# Altium PCB LAY-94611_B.PcbDoc (part 11 of 16) (continued)
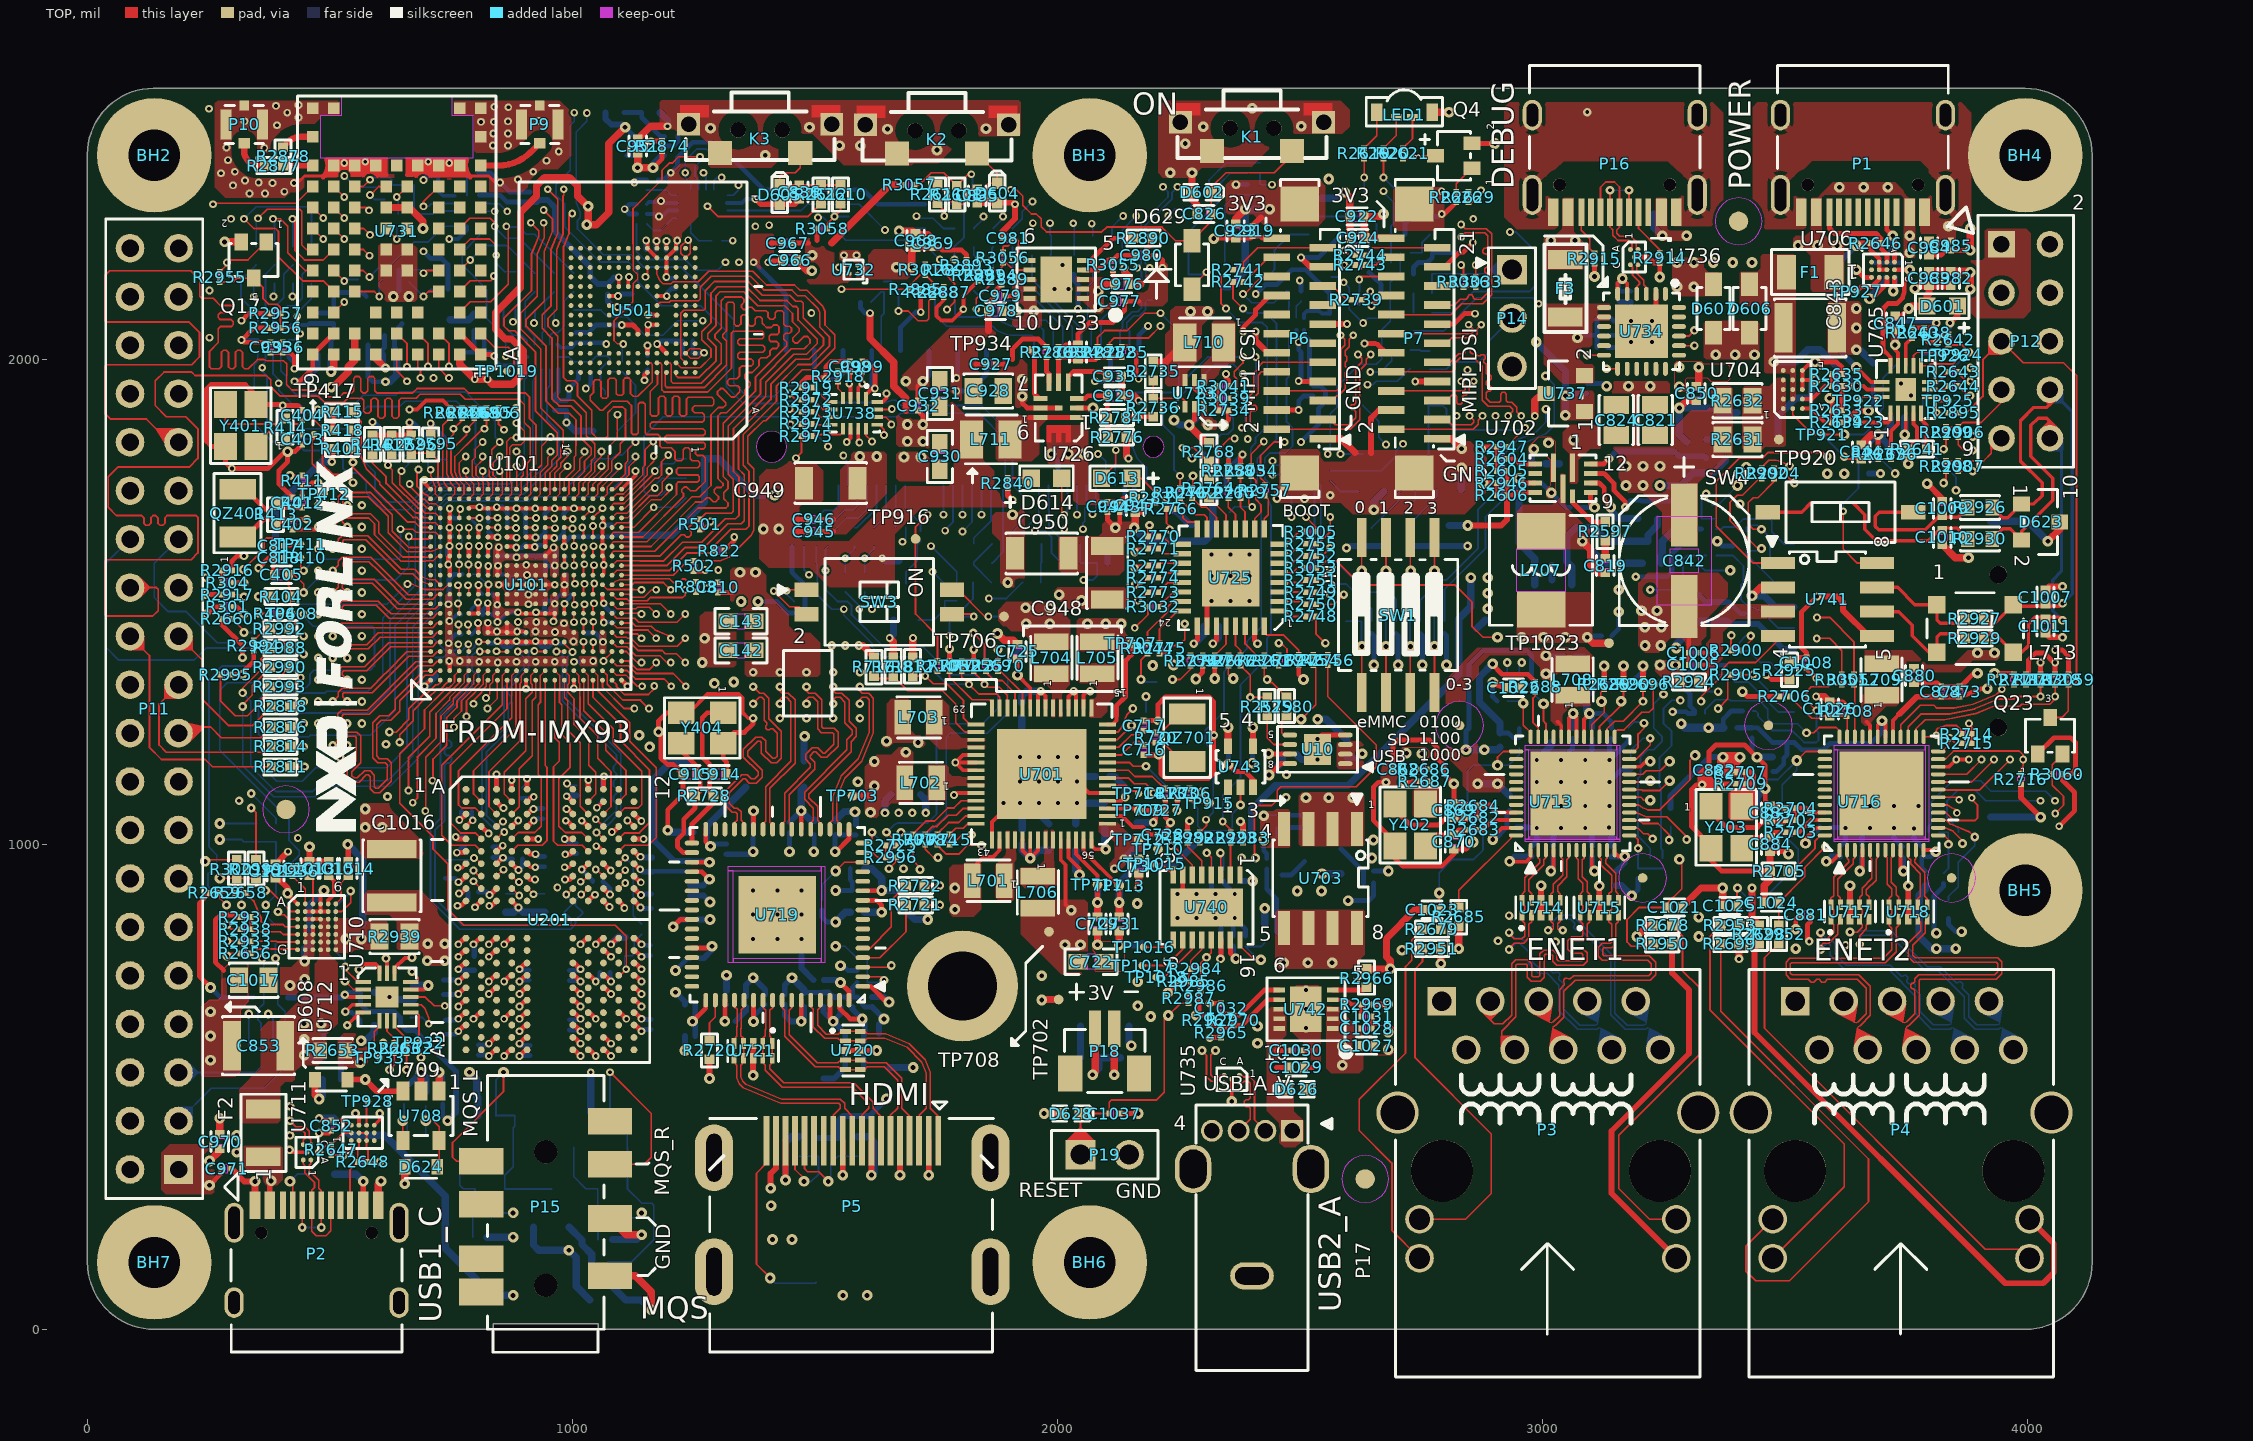
[diagram p0: TOP view]
## Nets (pads, with @x,y where several pads share a name; then routed paths per layer and width w, separated by ;. In a path a pad name is that pad's centre, name@x,y a point inside that pad or via, vN(x,y) a via of type N, cw(c..) or ccw(c..) an arc to the next point about the centre after c; other vN are vias at no path point) (continued)
  BOTTOM w10: v5(983.34,1614.32) 983.34,1622.19 995.45,1634.3 1078,1634.3 1081.28,1637.58 1107.42,1637.58 ; v6(3192.8,1552) 3258,1552 3268,1562 3268,1599.58 3318.91,1650.49 R2897.1@3328.43,1650.49
  BOTTOM w15: 1107.42,1637.58 1205.38,1637.58 1272.6,1704.8 R312.1@1272.6,1715.04 R310.1@1272.6,1755.04 R311.1@1272.6,1795.04 1301.76,1795.04 1376.8,1720 v18(1416.8,1720) ; v7(2127.8,880) TP1095.1@2127.8,920 2162.79,954.99 2237.79,954.99 2290.8,1008 2380.8,1008 2400.8,1028 2400.8,1073 2449.3,1121.5 2599.3,1121.5 2827.8,1350 2827.8,1465 2852.8,1490 v18(2852.8,1550)
ODT_CA_A: R210.2 U201.G2 | length 80.7
  TOP w3.2: v5(796.87,971.93) 800.3,971.93 U201.G2@812.07,960.16
  BOTTOM w3.62: 737.84,968.2 793.14,968.2 v5(796.87,971.93)
ONOFF: C814.1 C826.1 D602.1 D629.C K1.3 R405.2 TP1041.1 U101.A19 | length 2880.9
  TOP w3.62: v4(647.8,1770) 643.8,1766 643.8,1742 683.58,1702.22 691.46,1702.22 700.71,1692.97 U101.A19@707.75,1692.97 ; v4(1903.8,2350) 1915.8,2350 1928.8,2337 1928.8,2318 1946.8,2300 1956.8,2300 1966.8,2290 1966.8,2274 1977.8,2263 2091.8,2263 2101.8,2273 2215.8,2273 2243.8,2245 D629.C@2277.8,2245 2317.56,2284.76 2317.56,2300 2317.56,2344.76 D602.1@2317.8,2345 2317.8,2355 2347.8,2385 2447.79,2385 2484.26,2421.47 K1.3@2484.26,2429.95
  ART06 w4: v4(647.8,1770) 647.8,1778.8 669,1800 758.8,1800 798.8,1840 798.8,1883 843.8,1928 843.8,1976 822.8,1997 822.8,2052 875.8,2105 966.8,2105 1156.8,2295 1156.8,2328 1173.8,2345 1273.8,2345 1286.8,2332 1355.79,2332 1369.85,2346.06 1373.33,2347.5 1583.57,2347.5 1618.07,2313 1866.8,2313 v4(1903.8,2350)
  BOTTOM w3.62: 424.76,1873 440.76,1857 539,1857 586,1810 TP1041.1@615,1810 631.8,1810 640,1801.8 661.96,1801.8 661.96,1784.16 v4(647.8,1770)
OVDD_3V3: C887.1 C888.1 FB24.2 U719.11 | length 250.4
  TOP w10: U719.11@1598.98,904.21 1637.01,904.21 v7(1637.8,905)
  BOTTOM w10: C888.1@1598.31,905 v7(1637.8,905)
  BOTTOM w15: 1602.56,950 1617.8,950 1637.8,930 v7(1637.8,905) 1685.8,905 1692.8,912 ; FB24.2@1692.8,858 1705.8,845 v14(1732.8,845)
PCADR: R2724.1 U719.14 | length 134.8
  TOP w3.62: v7(1542.8,945) 1561.07,963.27 U719.14@1598.98,963.27
  BOTTOM w3.62: R2724.1@1515,885.51 1515,917.2 v7(1542.8,945)
PCF2131_SCL: R2923.2 R2983.1 U740.2 | length 116.4
  TOP w3.62: U740.2@2357.01,936.93 2357.01,1002.7 2357.8,1003.49 2382.8,1003.49
  TOP w12: v27(2377.8,1047) 2382.8,1042 R2983.1@2382.8,1024.51
PCF2131_SDA: R2922.2 R2982.1 U740.5 | length 129.3
  TOP w3.62: 2293.8,1003.49 2268.8,1003.49 2268.8,995.01 2297.96,965.85 U740.5@2297.96,936.93
  TOP w10: R2982.1@2268.8,1024.51 2268.8,1044.5 v27(2272.8,1048.5)
PCIE_NWAKE: R2749.2 R2868.1 R2888.1 | length 2198.8
  TOP w3.62: v4(1672.8,2100) 1692.8,2100 1712.8,2080 1730.8,2080 1734.8,2084 1734.8,2120.49 1742.8,2128.49 ; 2533.31,1520 2557.8,1520 v20(2562.8,1515)
  ART06 w4: v4(1672.8,2100) 1725.8,2153 1725.8,2201 1754.8,2230 1911.8,2230 1928.8,2213 2230.8,2213 2241.8,2202 2424.8,2202 2466.8,2244 2603.12,2244 2755.8,2091.32 2755.8,1942.5 2666.3,1853 2627.8,1853 2614.8,1840 2614.8,1747 2564.8,1697 2548.8,1697 2537.8,1686 2537.8,1540 v20(2562.8,1515)
  BOTTOM w3.62: R2868.1@1642.8,2160.51 1657.29,2160.51 1672.8,2145 v4(1672.8,2100)
PD_BYPASS: C845.2 R2641.2 U705.4 | length 149.3
  TOP w8: R2641.2@3754.8,1815 3754.8,1817 3772.8,1835 3772.8,1860 3765.55,1867.25 U705.4@3765.55,1888.79
  TOP w12: v7(3754.8,1785) R2641.2@3754.8,1815
  BOTTOM w12: 3742.56,1815 3742.56,1797.24 v7(3754.8,1785)
PD_DBG_ACC: TP924.1 U705.9 | length 89.9
  TOP w3.62: U705.9@3781.3,1987.21 3797.21,1987.21 3800.5,1990.5 3846.5,1990.5 3855.8,1999.8 TP924.1@3855.8,2010
PD_EN_SINK: R2636.1 U705.2 | length 79.5
  TOP w8: 3719.05,1815.51 3719.05,1852.25 3734.05,1867.25 U705.2@3734.05,1888.79
PD_EN_SRC: TP922.1 U705.16 | length 50.8
  TOP w3.62: TP922.1@3652.8,1915 3660.05,1922.25 U705.16@3700.59,1922.25
PD_FRS_EN: TP923.1 U705.1 | length 81.1
  TOP w8: TP923.1@3652.8,1870 3712.8,1870 3718.3,1875.5 U705.1@3718.3,1888.79
PD_I2C_SCL: R2643.1 U705.8 | length 46.9
  TOP w3.62: U705.8@3799.01,1953.75 3816.54,1953.75 3837.29,1974.5
PD_I2C_SDA: R2644.1 U705.7 | length 41.2
  TOP w3.62: U705.7@3799.01,1938 3830.29,1938 3837.29,1945
PD_ILIM_5V_VBUS: TP925.1 U705.6 | length 41.8
  TOP w8: U705.6@3799.01,1922.25 3810.55,1922.25 3817.8,1915 TP925.1@3837.8,1915
PD_LD_NFLT: R2640.1 U705.11 | length 62.7
  TOP w8: U705.11@3749.8,1987.21 3749.8,2031.49 3762.8,2044.49
PD_USB_CC1: R2645.2 TP1026.1 U705.13 U706.A2 | length 347.4
  TOP w8: 3707.8,2015 3718.3,2004.5 U705.13@3718.3,1987.21
  TOP w10: 3707.8,2015 3702.8,2020 3702.8,2105 3713.3,2115.5 3732,2115.5 3742.81,2126.31 3746.5,2138.49 3746.5,2161.5 3757.8,2172.8 v7(3757.8,2185) U706.A2@3726.42,2185
  BOTTOM w10: TP1026.1@3685,2200 3685.51,2199.49 R2645.2@3717.8,2199.49 3743.31,2199.49 v7(3757.8,2185)
PD_USB_CC2: R2646.2 TP1027.1 U705.14 U706.B2 U706.C1 U706.C2 | length 457.2
  TOP w8: v7(3647.8,1984) 3678.05,1953.75 U705.14@3700.59,1953.75
  TOP w10: v7(3647.8,2235) 3652.8,2240 3677.29,2240 3677.29,2225.51 3694.93,2207.87 U706.C1@3694.93,2200.75 U706.C2@3694.93,2185 U706.B2@3710.67,2185
  BOTTOM w12: v7(3647.8,1984) 3610,2021.8 TP1027.1@3610,2050 3610,2197.2 v7(3647.8,2235)
PD_USB_VBUS_IN: R2631.1 R2632.1 TP920.1 U704.A1 U704.B1 U704.C1 U704.D1
PD_VBUS_PG: Q7.1 R2639.2 TP921.1 U704.A2 | length 352.3
  TOP w3.62: U704.A2@3516.8,1898.63 3516.8,1886 3557.8,1845 TP921.1@3577.8,1845 v7(3622.8,1845)
  BOTTOM w3.62: v7(3622.8,1845) 3662.8,1845 3697.8,1880 3697.8,1895.01 3703.31,1900.52 3703.31,1945 3703.31,1962.54 Q7.1@3733.3,1992.53
PDM_CLK: R2912.1 U101.G17 | length 2008.3
  TOP w3.62: U101.G17@825.86,1653.6 v3(846.04,1653.6)
  ART03 w3.09: v3(846.04,1653.6) 861.3,1638.34 861.3,1605.5 852.8,1597 815.31,1597 812.31,1600 732.8,1600 718.8,1586 718.8,1257.01 705.8,1244.01 705.8,1187.5 661.8,1143.5 635.19,1143.5 589.29,1124.49 506.25,1041.45 506.25,968.55 584.8,890 584.8,801 595.8,790 595.8,736 565.8,706 565.8,625 534.8,594 534.8,512 579.8,467 579.8,426 744.8,261 846.8,261 867.8,240 v14(877.8,240)
  BOTTOM w3.62: R2912.1@832.6,230.04 842.56,240 v14(877.8,240)
PDM_DATA0: R2910.1 U101.J17 | length 2232.1
  TOP w3.62: U101.J17@865.23,1653.6 882.62,1653.6 v3(883.77,1652.45)
  ART03 w3.09: v3(883.77,1652.45) 869,1637.68 869,1601.2 856.8,1589 811.99,1589 808.99,1592 736.2,1592 729.3,1585.1 729.3,1250.5 724.3,1245.5 724.3,1179.5 670.8,1126 641.14,1126 606.42,1111.62 593.8,1099 593.8,1065 582.8,1054 558.8,1054 547.8,1043 547.8,1022 617.3,952.5 617.3,877.5 638.8,856 638.8,740 587.8,689 587.8,541 624.8,504 624.8,416 759.8,281 1101.8,281 v14(1142.8,240)
  BOTTOM w3.62: R2910.1@1092.6,230.04 1137.84,230.04 1142.8,235 v14(1142.8,240)
PDM_DATA1: R806.2 U101.G18 U746.1 | length 2364.1
  TOP w3.62: U101.G18@825.86,1673.29 845.5,1673.29 v4(845.81,1673.6) ; 847.8,1879.49 847.8,1866 v34(858.8,1855)
  ART06 w4: v4(845.81,1673.6) 864.8,1692.59 864.8,1840 858.8,1846 v34(858.8,1855)
  ART08 w3.09: v34(858.8,1855) 860.8,1853 914.93,1853 921.36,1859.43 957.37,1859.43 974.8,1842 1071.8,1842 1115.57,1885.77 1350.57,1885.77 1355.8,1891 1412.2,1891 1435.2,1914 1453.8,1914 1466.8,1901 1466.8,1865 1483.8,1848 1608.8,1848 1642.8,1882 1668.49,1882 1682.97,1888 1909.8,1888 1944.71,1853.09 2116.89,1853.09 2162.8,1899 2264.8,1899 2290.8,1873 2290.8,1857 2327.8,1820 2400,1820 2407,1827 2407,1832 2423,1848 2531.8,1848 2554.8,1825 2677.3,1825 v9(2677.8,1824.5)
  BOTTOM w3.62: U746.1@2630.3,1905 2662.8,1872.5 2662.8,1839.5 v9(2677.8,1824.5)
PDN/PCAL6408_RST: R3027.2 U731.J3 U745.10 U748.1 | length 873.6
  TOP w3.62: v3(692.8,2315.75) 692.8,2325 U731.J3@724.41,2356.61
  ART03 w3.09: v3(692.8,2315.75) 702.05,2325 919.8,2325 929.8,2335 957.8,2335 965.8,2343 965.8,2361 971.8,2367 992.8,2367 1000.8,2359 1086.8,2359 1108.8,2337 1137.51,2337 1157.11,2356.6 1204.4,2356.6 v3(1232.8,2385)
  BOTTOM w3.62: v3(692.8,2315.75) 703.54,2315.75 709.04,2321.25 734.22,2321.25 734.72,2321.75 757.01,2321.75 ; U748.1@1244.18,2348.72 1244.18,2363.62 1232.8,2375 v3(1232.8,2385) 1232.8,2410.31 1256.49,2434 1276.01,2434 1289.49,2420.52 1289.49,2410
PHY1_LED0_PHYAD0: C1022.1 R2688.1 U713.35 | length 133.2
  TOP w3.62: 2955.56,1323 2964.07,1314.49 2985.8,1314.49 2985.8,1306.01 2980.8,1301.01 2980.8,1252 2991.93,1240.87 U713.35@2991.93,1221.73
PHY1_LED1_CFG_LDO0: C1021.1 R2695.1 R2950.2 U713.36 | length 1117.1
  TOP w3.62: v18(2960.8,1291) 2960.8,1246 2976.19,1230.61 U713.36@2976.19,1221.73 ; R2950.2@3229.6,794.96 3224.64,790 3183.62,790 3175,798.62 3175,845 3200,870 3258.04,870 3258.04,878.24 3287.8,908 3287.8,964 v18(3282.8,969)
  ART08 w3.09: v18(2960.8,1291) 2982.8,1269 3034.8,1269 3059.8,1244 3131.8,1244 3157.8,1270 3233.8,1270 3249.8,1254 3249.8,1242 3267.8,1224 3302.8,1224 3337.8,1189 3337.8,1173 3310.8,1146 3310.8,1098 3314.8,1094 3314.8,1001 v18(3282.8,969)
  BOTTOM w3.62: 2928.31,1295 2956.8,1295 v18(2960.8,1291)
PHY1_LED2_CFG_LDO1: C1023.1 R2679.2 R2697.1 U713.37 | length 599.2
  TOP w3.62: v7(2787.56,899.76) 2787.56,865 2787.56,845.24 2791,841.8 R2679.2@2791,825.04 ; v7(2907.8,1163) 2907.8,1180 2919.41,1191.61 U713.37@2946.07,1191.61
  BOTTOM w3.62: v7(2787.56,899.76) 2787.56,941.76 2814.8,969 2858.8,969 2877.8,988 2877.8,1060 2845.8,1092 2845.8,1150.6 2858.2,1163 v7(2907.8,1163) 2930.8,1163 2952.8,1185 R2697.1@2952.8,1199.49
PHY1_XTAL_I: C869.1 R2682.1 Y402.1 | length 186.4
  TOP w10: Y402.1@2696.3,1083.31 2696.3,1071.5 2727.8,1040 2786.8,1040 2802.04,1055.24 2817.8,1055.24 2823.04,1050 2842.29,1050 2847.29,1055
PHY1_XTAL_O: C870.1 R2683.1 Y402.3 | length 101.8
  TOP w10: Y402.3@2759.3,996.69 2782.37,1019.76 2817.8,1019.76 2828.04,1030 2847.29,1030
PHY2_LED0_PHYAD0: C1026.1 R2706.1 R2708.1 U716.35 | length 251.9
  TOP w3.62: 3510.51,1305 3555.51,1260 3575,1260 3579.49,1264.49 3592.8,1264.49 3627.8,1264.49 3628.93,1263.36 U716.35@3628.93,1221.73
  TOP w10: C1026.1@3592.8,1294.01 3619.3,1294.01 R2708.1@3627.8,1285.51
  TOP w15: v1(3565,1305) 3581.81,1305 C1026.1@3592.8,1294.01
PHY2_LED1_CFG_LDO0: C1024.1 R2717.1 R2952.2 U716.36 | length 805.3
  TOP w3.62: R2952.2@3487.76,833.2 3487.76,879.8 3487.56,880 3540.8,933.24 3540.8,952 v6(3583.8,995) ; v6(3545,1230) 3560,1230 3571,1241 3606.19,1241 3613.19,1234 U716.36@3613.19,1221.73
  ART08 w3.09: v6(3545,1230) 3555.8,1219.2 3555.8,1023 v6(3583.8,995)
  BOTTOM w3.62: 3335.51,1270 3335.51,1276.51 3357.12,1298.12 3386.88,1298.12 3389,1296 3448,1296 3465,1279 3465,1259.5 3476,1248.5 3526.5,1248.5 v6(3545,1230)
PHY2_LED2_CFG_LDO1: C1025.1 R2719.1 R2953.2 U716.37 | length 644.3
  TOP w3.62: v15(3402.8,910) 3401.56,908.76 3401.56,873 3401.56,856.24 3406.7,851.1 R2953.2@3406.7,832.86 ; v7(3524.8,1173) 3543.41,1191.61 U716.37@3583.07,1191.61
  BOTTOM w3.62: v15(3402.8,910) 3420.8,892 3460.8,892 3527.8,959 3527.8,990 3495,1022.8 3495,1123 3524.8,1152.8 v7@3524.8,1172.5 ; 3454.49,1150 3454.49,1140.51 3461,1134 3486.3,1134 v7@3524.8,1172.5 ; v7(3524.8,1173) v7@3524.8,1172.5
PHY2_XTAL_I: C883.1 R2702.1 Y403.1 | length 189.4
  TOP w10: Y403.1@3348.3,1078.31 3348.3,1066.5 3379.8,1035 3443.8,1035 3459.04,1050.24 3469.8,1050.24 3475.56,1050.24 3480.8,1045 3497.29,1045 3502.29,1050
PHY2_XTAL_O: C884.1 R2703.1 Y403.3 | length 104.8
  TOP w10: Y403.3@3411.3,991.69 3434.37,1014.76 3469.8,1014.76 3480.04,1025 3502.29,1025
PMIC_32K_OUT: R411.1 R2858.2 U701.7 | length 5416.6
  TOP w3.62: v20(417.8,1760.51) 442.8,1760.51 ; U701.7@2103.63,1137.13 2146.68,1137.13 2158.81,1125 2182.8,1125 2197.8,1110 v20(2197.8,1106)
  ART03 w3.09: v49(618.8,1098.5) 618.8,1092 628.8,1082 628.8,1051 633.8,1046 633.8,880 650.8,863 650.8,728 659.8,719 679.8,719 693.8,733 713.8,733 750.8,696 750.8,610 849.8,511 1084.8,511 1170.8,597 1170.8,936 1260.8,1026 1302.8,1026 1364.8,964 1568.8,964 1571.8,967 1690.99,967 1699.8,958.19 1699.8,927.1 1705.9,921 1733.8,921 1744.8,932 1795.59,932 1831.59,896 1971,896 1984,883 2038,883 2062,859 2145.8,859 v39(2164.8,878)
  ART06 w4: v20(417.8,1760.51) 417.8,1676 422.8,1671 422.8,1159 450.8,1131 586.3,1131 v49(618.8,1098.5) ; v4(1739.8,1614.96) 1756.76,1598 1809.8,1598 1882.8,1671 1882.8,1763.01 1963.79,1844 2112,1844 2135,1821 2135,1809.41 2133.29,1805.29 2124,1796 2124,1769 2139.3,1753.7 2139.3,1638 2116.8,1615.5 2116.8,1527.2 2158.5,1485.5 2191.3,1485.5 2203.8,1473 2203.8,1432 2106.8,1335 2106.8,1266 2152.8,1220 2152.8,1166 2197.8,1121 v20(2197.8,1106) 2197.8,1071 2178.8,1052 2178.8,1033 2191.8,1020 2249.8,1020 2256.8,1013 2256.8,984 2193.8,921 2193.8,907 v39(2164.8,878)
  BOTTOM w3.62: v4(1739.8,1614.96) 1792.8,1561.96 R2858.2@1792.8,1523.55
PMIC_NINT: R806.1 R2758.2 R2760.2 U701.13 | length 2658.5
  TOP w3.62: 847.8,1900.51 v9(883.3,1900.5) ; U701.13@2103.63,1231.61 2124.41,1231.61 2130.96,1238.16 2143,1267.2 v20(2155.8,1280) ; 2352.8,1735.51 2352.8,1759.49 2344.31,1759.49 2332.8,1771 2332.8,1815 2354.8,1837 v34(2365.8,1837)
  TOP w10: R2758.2@2352.8,1780.51 v16(2352.8,1804)
  ART06 w4: v20(2155.8,1280) 2155.8,1281 2152.8,1284 2152.8,1356.01 2219,1422.21 2219,1577.2 2335.8,1694 2335.8,1807 v34(2365.8,1837)
  ART08 w3.09: v9(883.3,1900.5) 884.3,1901.5 914.3,1901.5 926.8,1889 1055.8,1889 1079.3,1912.5 1107.3,1912.5 1113.85,1905.95 1332.25,1905.95 1340.3,1914 1398.8,1914 1430.8,1946 1454.8,1946 1476.89,1923.91 1476.89,1869.18 1487.98,1858.09 1604.62,1858.09 1630.16,1883.63 1630.16,1896.36 1647.8,1914 1669.8,1914 1681.8,1902 1910.07,1902 1948.89,1863.18 2112.71,1863.18 2151.8,1902.27 2151.8,1926 2158.8,1933 2190.8,1933 2209.8,1914 2268.8,1914 2298.8,1884 2350.8,1884 2361.8,1873 2361.8,1841 v34(2365.8,1837)
PMIC_ON: Q21.3 Q22.1 R3019.1 R3022.1 | length 198.6
  BOTTOM w3.62: 2345.27,2200.5 2345.27,2285 2345.27,2317.47 2367.29,2339.49 R3019.1@2392.8,2339.49 R3022.1@2417.8,2339.49
PMIC_ON_REQ: C1045.1 Q21.2 R401.2 R418.1 R3020.1 R3021.1 U101.A17 | length 2919.1
  TOP w3.62: R418.1@544.6,1853.96 544.6,1835.76 543,1834.16 R401.2@543,1816.04 543,1792.8 v20(547.8,1788) 547.8,1777 660.18,1664.62 675.46,1664.62 686.48,1653.6 U101.A17@707.75,1653.6
  ART06 w4: v20(547.8,1788) 548.8,1789 548.8,1792.2 611.8,1855.2 611.8,1892 591.8,1912 591.8,1992.85 770.8,2171.85 770.8,2220 799.8,2249 941.8,2249 963.8,2271 963.8,2308 1020.8,2365 1020.8,2444 1108.8,2532 2146.8,2532 2196.8,2482 2196.8,2335 2228.8,2303 v4(2228.8,2296)
  BOTTOM w3.62: v4(2228.8,2296) 2243.3,2310.5 2270.33,2310.5 2312.8,2352.97 2312.8,2370 2348.31,2405.51 R3020.1@2367.8,2405.51 2392.8,2405.51 R3021.1@2417.8,2405.51
PMIC_SCLL: R712.2 R2857.2 R3024.1 U701.27 | length 1575.5
  TOP w3.62: 1802.8,1357.49 1802.8,1345 v5(1817.8,1330) 1837.8,1310 1874.8,1310 1881.19,1303.61 U701.27@1881.19,1280.83
  ART06 w4: v4(1330.8,2245) 1330.8,2240 1290.8,2200 1290.8,1768 1384.8,1674 1440.8,1674 1504.8,1610 1504.8,1539 1558.8,1485 v4(1559.8,1485)
  BOTTOM w3.62: 1308.31,2245 v4(1330.8,2245) ; R2857.2@1502.8,1614.49 1502.8,1580.21 1505,1578.01 1505,1515 1535,1485 v4(1559.8,1485) 1559.8,1473 1617.9,1414.9 1617.9,1408.1 1639,1387 1715,1387 1772,1330 v5(1817.8,1330)
PMIC_SDAL: R713.2 R2856.2 R3023.1 U701.26 | length 1655.9
  TOP w3.62: 1827.8,1357.49 1827.8,1355.01 1842.8,1340.01 1842.8,1337 v5(1849.8,1330) 1855.8,1324 1880.8,1324 1896.93,1307.87 U701.26@1896.93,1280.83
  ART06 w4: v4(1315.8,2200.5) 1315.8,1773.19 1392.99,1696 1454,1696 1526.8,1623.2 1526.8,1569.5 1522.3,1565 v4(1521.8,1565)
  BOTTOM w3.62: 1132.29,2280 1132.29,2222.51 1148.8,2206 1232.8,2206 1254.8,2184 1299.3,2184 v4(1315.8,2200.5) ; R2856.2@1527.8,1614.49 1521.8,1608.49 v4(1521.8,1565) 1521.8,1526 1546.8,1501 1566.8,1501 1575.8,1492 1575.8,1473.2 1641,1408 1722.78,1408 1780.78,1350 1829.8,1350 v5(1849.8,1330)
PMIC_STBY_REQ: R417.1 R708.1 U101.B18 U747.1 | length 4200.5
  TOP w3.2: 696.97,1683.04 717.68,1683.04 U101.B18@727.43,1673.29
  TOP w3.62: R417.1@627.76,1805.2 619.8,1797.24 v4(619.8,1782) 619.8,1781 628.8,1772 628.8,1745.82 681.8,1692.82 687.19,1692.82 696.97,1683.04 ; 1727.8,999.49 1727.8,990 1744.8,973 v25(1753.8,973)
  ART06 w4: v4(619.8,1782) 611.8,1774 611.8,1295 703.3,1203.5 1031.3,1203.5 1120.8,1114 1391.8,1114 1456.8,1049 1504.81,1049 1566.81,987 1739.8,987 v25(1753.8,973) ; v45(2192.8,645) 2218.8,619 2229.8,619 2258.8,648 2258.8,678 2289.8,709 2289.8,794 2300.8,805 2398.8,805 2459.8,866 2459.8,926 2489.8,956 2489.8,1106 2510.8,1127 2510.8,1204 2475.8,1239 2475.8,1353 2487.8,1365 2487.8,1429 2463.8,1453 2463.8,1693 2487.8,1717 2487.8,1742 2533.8,1788 2566.8,1788 v4(2583.8,1805)
  ART08 w3.09: v25(1753.8,973) 1782.3,973 1833.3,922 1860.8,922 1964.8,818 2139,818 2187.8,769.2 2187.8,650 v45(2192.8,645)
  BOTTOM w3.62: v4(2583.8,1805) U747.1@2630.3,1805
PVCC1_1V8: C889.1 C890.1 FB25.2 U719.51 | length 79.1
  TOP w10: v7(1314.53,635.27) U719.51@1314.53,678.82
  BOTTOM w10: v7(1314.53,635.27) 1314.53,666.22 C889.1@1317.8,669.49
PVCC2_1V8: C901.1 C902.1 FB29.2 U719.62 | length 280.7
  TOP w10: U719.62@1531.07,678.82 1531.07,641.73 v7(1537.8,635)
  BOTTOM w12: 1517.8,517 1539.8,517 1562.8,540 1562.8,610 v7(1537.8,635) ; C901.1@1517.8,665.24 1517.8,655 v7(1537.8,635) ; 1552.8,664.49 1552.8,650 v7(1537.8,635)
RTC_CLK: R2863.2 U740.6 | length 1704.5
  TOP w3.62: v20(2234.8,997) 2238.8,997 2278.27,957.53 U740.6@2278.27,936.93
  ART06 w4: v4(1742.8,1561.96) 1809.76,1561.96 1845.8,1598 1861.8,1598 1933.8,1670 1933.8,1785 1973.8,1825 2092.8,1825 2103.8,1814 2103.8,1760.2 2116.8,1747.2 2116.8,1697 2085.8,1666 2085.8,1530.2 2150,1466 2172.8,1466 2182.8,1456 2182.8,1441 2087.3,1345.5 2087.3,1256.5 2133.3,1210.5 2133.3,1158.5 2177.8,1114 2177.8,1078.58 2159.3,1060.08 2159.3,1023.5 2185.8,997 v20(2234.8,997)
  BOTTOM w3.62: v4(1742.8,1561.96) 1767.8,1536.96 R2863.2@1767.8,1523.55
RTC_NINTA: R2750.2 R2984.1 R2986.1 U740.13 | length 1109
  TOP w3.62: 2295.8,718.51 2296.31,719.02 2296.31,743 2296.31,755.51 v20(2307.8,767) 2317.64,776.84 U740.13@2317.64,803.07 ; 2533.31,1495 2570.8,1495 v20(2590.8,1515)
  ART06 w4: v20(2307.8,767) 2326.8,786 2415.8,786 2473.8,844 2473.8,916 2534.8,977 2534.8,1121.9 2566.8,1153.9 2566.8,1338 2527.8,1377 2527.8,1430 2590.8,1493 v20(2590.8,1515)
SAI1_OE: Q17.3 R2955.2 R2956.1 R2957.2 U728.12 | length 350
  TOP w3.62: 272.8,2159.49 299.76,2159.49 307.8,2167.53 Q17.3@342.8,2167.53 361.8,2148.53 361.8,2126 373.8,2114 391.31,2114 398.31,2107 398.31,2095 398.31,2065 426.8,2065 v5(438.8,2053)
  TOP w10: v16(317.8,2080) 332.8,2095 R2957.2@377.29,2095
  BOTTOM w3.62: U728.12@414.49,2040 425.8,2040 v5(438.8,2053)
SAI1_RXD0: U101.H20 U728.5 | length 850.9
  TOP w3.2: U101.H20@845.54,1712.66 855.29,1722.41 855.29,1764.72 v5(850.01,1770)
  BOTTOM w3.62: U728.5@351.3,2014.21 351.3,1996.49 343.8,1988.99 343.8,1867.2 380,1831 427.8,1831 446.3,1812.5 508.3,1812.5 526.8,1794 526.8,1776 536.8,1766 557.8,1766 575,1748.8 575,1725 610,1690 662,1690 722,1750 830.01,1750 v5(850.01,1770)
SAI1_TXC: U101.G20 U728.2 | length 732.2
  TOP w3.2: U101.G20@825.86,1712.66 835.79,1722.59 835.79,1752.01 828.8,1759 828.8,1791 833.9,1796.1 833.9,1813.89 v5(850.01,1830)
  BOTTOM w3.62: U728.2@398.55,2014.21 398.55,1976.99 410.3,1965.24 410.3,1947.5 429.8,1928 470.8,1928 489.8,1909 551.8,1909 568.9,1926.1 636.1,1926.1 643,1933 779.8,1933 840.8,1872 840.8,1839.21 v5(850.01,1830)
SD1_CLK: R803.1 U101.Y11 | length 185.8
  TOP w3.2: U101.Y11@1081.76,1535.49 1087.48,1541.21 1097.52,1545.37 1115.17,1545.37 1117.8,1548 1200.2,1548 1208.2,1540 1219.81,1540
  TOP w3.62: 1219.81,1540 1226.81,1547 1232.99,1547 1238.48,1541.51 1254.8,1541.51
SD1_CMD: R502.2 U101.AA12 U501.M5 | length 1310.8
  TOP w3.2: U101.AA12@1101.45,1555.18 1177.62,1555.18 ; U501.M5@1174.39,2189.82 1174.39,2176.65 1180.21,2162.59 1186.8,2156 1203.41,2156 1207.8,2160.39 1259.8,2160.39
  TOP w3.62: 1177.62,1555.18 1207.98,1555.18 1237.8,1585 1249.8,1585 1305.73,1585 1324.63,1592.83 1369.02,1637.22 1373.8,1648.76 1373.8,1775 1361.8,1787 1361.8,1841.34 1394.13,1873.67 1398.67,1873.67 1431.8,1906.8 1431.8,1937 1473.8,1979 1496.8,1979 1541,2023.2 1541,2051 1521,2071 1521,2098.59 1516.28,2109.98 1483.76,2142.5 1469.3,2142.5 1458.18,2153.62 1400.39,2153.62 1372.01,2182 1281.41,2182 1259.8,2160.39
  TOP w10: R502.2@1249.8,1563.98 1271.78,1563.98 v5(1273.8,1566)
SD1_DATA0: R501.2 U101.AA14 U501.A3 | length 1308.7
  TOP w3.62: U101.AA14@1101.45,1594.55 1180.55,1594.55 1224.45,1638.45 1230.45,1638.45 1234.95,1633.95 1240.95,1633.95 1245.19,1638.19 1245.19,1644.19 1240.69,1648.69 1240.69,1654.69 1256.51,1670.51 1262.8,1670.51 1275.29,1683 1328.18,1683 1331.8,1686.62 1331.8,1752.76 1321.56,1763 1321.56,1862.76 1388.12,1929.32 1388.12,1958.4 1451.72,2022 1478,2022 1489.94,2033.94 1489.94,2041.82 1484.27,2047.49 1478.27,2047.49 1464.89,2034.11 1458.89,2034.11 1454.65,2038.35 1454.65,2044.35 1468.03,2057.73 1468.03,2063.73 1454,2077.76 1454,2094.76 1437.76,2111 1382.01,2111 1353.49,2139.52 1304.52,2139.52 1296.42,2131.42 1296.42,2070.42 1279,2053 1279,2043.82 1296.42,2026.4 1296.42,1997.62 1261.8,1963 1217.38,1963 1213.76,1966.62 U501.A3@1213.76,1973.29
  TOP w8: R501.2@1262.8,1649.49 1270.79,1649.49 1284.8,1663.5 v12(1284.8,1666)
SD1_DATA1: U101.AA15 U501.A4 | length 1273.8
  TOP w3.62: U101.AA15@1101.45,1614.23 1162.03,1614.23 1253.8,1706 1268,1706 1276.94,1714.94 1282.06,1714.94 1290.44,1706.56 1295.56,1706.56 1301.19,1712.19 1301.19,1717.31 1292.8,1725.7 1292.8,1731.7 1297.04,1735.94 1306.32,1735.94 1310.56,1740.18 1310.56,1743.96 1300.32,1754.2 1300.32,1880.71 1300.31,1883.29 1307.02,1890 1317.77,1890 1355.88,1928.11 1355.88,1937.7 1360.12,1941.94 1362.56,1941.94 1366.8,1946.18 1366.8,1952.18 1362.56,1956.42 1360.12,1956.42 1355.88,1960.66 1355.88,1969.38 1359.5,1973 1370.8,1973 1384.91,1987.11 1384.91,1999.11 1389.15,2003.35 1401.15,2003.35 1407.8,2010 1407.8,2018.13 1412.04,2022.37 1420.16,2022.37 1425.04,2027.25 1425.04,2033.23 1421.42,2036.85 1409.42,2036.85 1405.8,2040.47 1405.8,2047.71 1409.42,2051.33 1422.57,2051.33 1426.19,2054.95 1426.19,2067.38 1422.57,2071 1415,2071 1410,2066 1400.29,2066 1391.67,2074.62 1391.67,2083.76 1387.43,2088 1381.43,2088 1377.19,2083.76 1377.19,2073.24 1372.95,2069 1366.21,2069 1361.97,2073.24 1361.97,2087.76 1357.73,2092 1351.73,2092 1347.49,2087.76 1347.49,2073.24 1343.25,2069 1337.62,2069 1334,2072.62 1334,2114.38 1330.38,2118 1321.29,2118 1317.66,2114.37 1317.66,2058.66 1310.06,2051.06 1310.06,2045.94 1317.66,2038.34 1317.66,1987.84 1271.82,1942 1194.9,1942 1191.28,1945.62 1191.28,1970.49 U501.A4@1194.08,1973.29
SD1_DATA2: U101.AA16 U501.A5 | length 1278.5
  TOP w3.2: U101.AA16@1101.45,1633.92 1126.23,1633.92
  TOP w3.62: 1126.23,1633.92 1145.72,1633.92 1229.42,1717.62 1229.42,1722.74 1225.54,1726.62 1225.54,1731.74 1230.66,1736.86 1235.78,1736.86 1243.64,1729 1254.8,1729 1274.08,1748.28 1274.08,1797.44 1269.84,1801.68 1258.04,1801.68 1253.86,1805.86 1253.86,1810.98 1258.04,1815.16 1269.84,1815.16 1274.08,1819.4 1274.08,1825.24 1270.45,1828.87 1194.42,1828.87 1190.8,1832.49 1190.8,1839.73 1194.42,1843.35 1270.18,1843.35 1273.8,1846.97 1273.8,1852.38 1269.18,1857 1164.35,1857 1160.73,1860.62 1160.73,1867.27 1164.35,1870.89 1268.18,1870.89 1271.8,1874.51 1271.8,1885.87 1267.56,1890.11 1252.04,1890.11 1247.8,1894.35 1247.8,1900.35 1252.04,1904.59 1288.18,1904.59 1291.8,1908.21 1291.8,1917.38 1287.18,1922 1239.16,1922 1235.54,1918.38 1235.54,1886.99 1231.92,1883.37 1224.68,1883.37 1221.06,1886.99 1221.06,1920.38 1217.44,1924 1210.2,1924 1206.58,1920.38 1206.58,1886.99 1202.96,1883.37 1195.72,1883.37 1192.1,1886.99 1192.1,1920.38 1188.48,1924 1181.24,1924 1177.62,1920.38 1177.62,1886.99 1174,1883.37 1164.35,1883.37 1160.73,1886.99 1160.73,1933.94 1175.47,1948.68 1175.47,1972.21 U501.A5@1174.39,1973.29
SD1_DATA3: U101.AA13 U501.B2 | length 1277.4
  TOP w3.2: U501.B2@1233.45,1992.97 1223.8,2002.62 1223.8,2008.52 1223.7,2008.62 1223.7,2095.44 1229.59,2101.33 1270.33,2101.33 1273.8,2104.8 1273.8,2129.91
  TOP w3.62: U101.AA13@1101.45,1574.86 1194.66,1574.86 1231.8,1612 1271.3,1612 1320.3,1661 1348.56,1661 1354.56,1667 1354.56,1762 1342.56,1774 1342.56,1850.76 1409.36,1917.56 1409.36,1948.6 1461,2000.24 1488,2000.24 1518,2030.24 1518,2043.8 1476,2085.8 1476,2116.38 1472.38,2120 1460.78,2120 1448.4,2132.38 1391.39,2132.38 1363.01,2160.76 1292.75,2160.76 1273.8,2141.81 1273.8,2129.91
SD1_DATA4: U101.Y13 U501.B3 | length 1276
  TOP w3.2: U101.Y13@1081.76,1574.86 1091.54,1584.63 1138.82,1584.63 ; U501.B3@1213.76,1992.97 1223.51,1983.22 1264.02,1983.22 1264.93,1984.13
  TOP w3.62: 1138.82,1584.63 1188.63,1584.63 1227,1623 1267,1623 1315.62,1671.62 1336.42,1671.62 1343.8,1679 1343.8,1757.38 1332.18,1769 1332.18,1857.39 1398.74,1923.95 1398.74,1953 1456.6,2010.86 1482.86,2010.86 1505,2033 1505,2041.78 1465.18,2081.6 1465.18,2105.82 1462,2109 1455,2109 1442.38,2121.62 1387.13,2121.62 1358.61,2150.14 1299.14,2150.14 1285.8,2136.8 1285.8,2075.8 1267,2057 1267,2040.8 1285.8,2022 1285.8,2005 1264.93,1984.13
SD1_DATA5: U101.Y14 U501.B4 | length 1274.3
  TOP w3.2: U101.Y14@1081.76,1594.55 1081.76,1601.14 1084.96,1604.34 1113,1604.34 ; U501.B4@1194.08,1992.97 1200.64,1992.97 1203.84,1989.77 1203.84,1965
  TOP w3.62: 1113,1604.34 1169.64,1604.34 1259.01,1693.71 1316.71,1693.71 1320.95,1697.95 1320.95,1703.95 1312,1712.9 1312,1725 1321.18,1734.18 1321.18,1748.36 1310.94,1758.6 1310.94,1868.15 1377.5,1934.71 1377.5,1963.7 1442,2028.2 1442,2036 1436,2042 1436,2049.57 1440.24,2053.81 1447.76,2053.81 1452,2058.05 1452,2064.05 1447.76,2068.29 1440.24,2068.29 1436,2072.53 1436,2096.76 1432.38,2100.38 1422.37,2100.38 1418.13,2096.14 1418.13,2087.24 1413.89,2083 1407.89,2083 1403.65,2087.24 1403.65,2096.14 1399.41,2100.38 1377.45,2100.38 1370.1,2107.73 1364.1,2107.73 1359.18,2102.81 1353.18,2102.81 1348.94,2107.05 1348.94,2113.05 1353.86,2117.97 1353.86,2123.97 1348.93,2128.9 1314.66,2128.9 1307.04,2121.28 1307.04,2064 1294,2050.96 1294,2045 1307.04,2031.96 1307.04,1992.24 1265.8,1951 1207.46,1951 1203.84,1954.62 1203.84,1965
SD1_DATA6: U101.Y15 U501.B5 | length 1273.4
  TOP w3.2: U101.Y15@1081.76,1614.23 1081.76,1620.8 1084.96,1624 1131.81,1624 ; U501.B5@1174.39,1992.97 1181.07,1992.97 1184.28,1989.76 1184.28,1937.62 1188.9,1933
  TOP w3.62: 1131.81,1624 1153.8,1624 1246.8,1717 1262.8,1717 1285.8,1740 1285.8,1886 1300.8,1901 1311.38,1901 1316.19,1905.81 1316.19,1910.93 1299.03,1928.09 1299.03,1933.22 1305.7,1939.89 1310.82,1939.89 1328.25,1922.46 1334.24,1922.46 1345.26,1933.48 1345.26,1941.74 1341.02,1945.98 1324.04,1945.98 1319.8,1950.22 1319.8,1956.22 1324.04,1960.46 1339.18,1960.46 1344.8,1966.08 1344.8,1982.22 1349.04,1986.46 1368.56,1986.46 1372.8,1990.7 1372.8,1996.7 1368.56,2000.94 1344.42,2000.94 1340.8,2004.56 1340.8,2010.68 1345.04,2014.92 1392.56,2014.92 1396.8,2019.16 1396.8,2025.16 1392.56,2029.4 1345.04,2029.4 1340.95,2033.49 1340.95,2038.62 1345.04,2042.71 1391.18,2042.71 1394.8,2046.33 1394.8,2054.38 1391.18,2058 1331.9,2058 1328.28,2054.38 1328.28,1982.48 1278.8,1933 1188.9,1933
SD1_DATA7: U101.Y16 U501.B6 | length 1272.7
  TOP w3.2: U101.Y16@1081.76,1633.92 1081.76,1640.47 1084.96,1643.67 1116.48,1643.67 ; U501.B6@1154.71,1992.97 1161.44,1992.97 1164.64,1989.77 1164.64,1953.64 1158.05,1947.05
  TOP w3.62: 1116.48,1643.67 1136.97,1643.67 1214.8,1721.5 1214.8,1743.86 1218.42,1747.48 1258.18,1747.48 1261.8,1751.1 1261.8,1758.34 1258.18,1761.96 1218.42,1761.96 1214.8,1765.58 1214.8,1772.82 1218.42,1776.44 1258.18,1776.44 1262.8,1781.06 1262.8,1787.3 1259.18,1790.92 1247.22,1790.92 1242.98,1795.16 1242.98,1813.76 1238.74,1818 1232.74,1818 1228.5,1813.76 1228.5,1795.16 1224.26,1790.92 1215.42,1790.92 1211.8,1794.54 1211.8,1810 1203.8,1818 1184.42,1818 1180.8,1821.62 1180.8,1841 1176.8,1845 1153.73,1845 1150.11,1848.62 1150.11,1907.38 1146.49,1911 1139.25,1911 1135.63,1907.38 1135.63,1848.62 1132.01,1845 1125.42,1845 1121.8,1848.62 1121.8,1905 1112.8,1914 1081.78,1914 1062.85,1895.07 1057.73,1895.07 1036.8,1916 1036.8,1925 1043.8,1932 1043.8,1954.38 1047.42,1958 1055.3,1958 1058.92,1954.38 1058.92,1923.62 1062.54,1920 1069.78,1920 1073.4,1923.62 1073.4,1957.38 1077.02,1961 1086.83,1961 1090.45,1957.38 1090.45,1929.62 1094.07,1926 1101.82,1926 1105.44,1929.62 1105.44,1958.38 1109.06,1962 1116.3,1962 1119.92,1958.38 1119.92,1929.62 1125.54,1924 1134.95,1924 1158,1947.05

## Text inside footprints (layer, text, board x,y; h text height)
U501: Top Overlay "1" at 1246.59,1819.97 h15 r270; Top Overlay "14" at 979.58,1827.18 h15 r270; Top Overlay "P" at 1369.4,2339.29 h15 r270; Top Overlay "A" at 1370.62,1901.26 h15 r270; Top Pin Number "P3" at 1215.76,2238.19 h10 r225; Top Pin Number "N4" at 1196.08,2218.51 h10 r225; Top Pin Number "P5" at 1176.39,2238.19 h10 r225; Top Pin Number "M4" at 1196.08,2198.82 h10 r225; Top Pin Number "C6" at 1156.71,2021.66 h10 r225; Top Pin Number "P4" at 1196.08,2238.19 h10 r225; Top Pin Number "N2" at 1235.45,2218.51 h10 r225; Top Pin Number "N5" at 1176.39,2218.51 h10 r225; Top Pin Number "P6" at 1156.71,2238.19 h10 r225; Top Pin Number "C4" at 1196.08,2021.66 h10 r225; Top Pin Number "J5" at 1176.39,2139.77 h10 r225; Top Pin Number "H10" at 1079.97,2123.08 h10 r225; Top Pin Number "K8" at 1117.34,2159.45 h10 r225; Top Pin Number "G5" at 1176.39,2100.4 h10 r225; Top Pin Number "E7" at 1137.02,2061.03 h10 r225; Top Pin Number "A6" at 1156.71,1982.29 h10 r225; Top Pin Number "J10" at 1079.97,2142.77 h10 r225; Top Pin Number "K9" at 1097.65,2159.45 h10 r225; Top Pin Number "F5" at 1176.39,2080.71 h10 r225; Top Pin Number "E6" at 1156.71,2061.03 h10 r225; Top Pin Number "B3" at 1215.76,2001.97 h10 r225; Top Pin Number "M5" at 1176.39,2198.82 h10 r225; Top Pin Number "A4" at 1196.08,1982.29 h10 r225; Top Pin Number "A5" at 1176.39,1982.29 h10 r225; Top Pin Number "B6" at 1156.71,2001.97 h10 r225; Top Pin Number "B5" at 1176.39,2001.97 h10 r225; Top Pin Number "B4" at 1196.08,2001.97 h10 r225; Top Pin Number "A3" at 1215.76,1982.29 h10 r225; Top Pin Number "C2" at 1235.45,2021.66 h10 r225; Top Pin Number "B2" at 1235.45,2001.97 h10 r225; Top Pin Number "H5" at 1176.39,2120.08 h10 r225; Top Pin Number "M6" at 1156.71,2198.82 h10 r225; Top Pin Number "K10" at 1079.97,2162.45 h10 r225; Top Pin Number "F10" at 1079.97,2083.71 h10 r225; Top Pin Number "E10" at 1079.97,2064.03 h10 r225; Top Pin Number "E9" at 1097.65,2061.03 h10 r225; Top Pin Number "P9" at 1097.65,2238.19 h10 r225; Top Pin Number "P8" at 1117.34,2238.19 h10 r225; Top Pin Number "P7" at 1137.02,2238.19 h10 r225; Top Pin Number "P2" at 1235.45,2238.19 h10 r225; Top Pin Number "P14" at 1001.23,2241.19 h10 r225; Top Pin Number "P13" at 1020.91,2241.19 h10 r225; Top Pin Number "P12" at 1040.6,2241.19 h10 r225; Top Pin Number "P11" at 1060.28,2241.19 h10 r225; Top Pin Number "P10" at 1079.97,2241.19 h10 r225; Top Pin Number "P1" at 1255.13,2238.19 h10 r225; Top Pin Number "N9" at 1097.65,2218.51 h10 r225; Top Pin Number "N8" at 1117.34,2218.51 h10 r225; Top Pin Number "N7" at 1137.02,2218.51 h10 r225; Top Pin Number "N6" at 1156.71,2218.51 h10 r225; Top Pin Number "N3" at 1215.76,2218.51 h10 r225; Top Pin Number "N14" at 1001.23,2221.51 h10 r225; Top Pin Number "N13" at 1020.91,2221.51 h10 r225; Top Pin Number "N12" at 1040.6,2221.51 h10 r225; Top Pin Number "N11" at 1060.28,2221.51 h10 r225; Top Pin Number "N10" at 1079.97,2221.51 h10 r225; Top Pin Number "N1" at 1255.13,2218.51 h10 r225; Top Pin Number "M9" at 1097.65,2198.82 h10 r225; Top Pin Number "M8" at 1117.34,2198.82 h10 r225; Top Pin Number "M7" at 1137.02,2198.82 h10 r225; Top Pin Number "M3" at 1215.76,2198.82 h10 r225; Top Pin Number "M2" at 1235.45,2198.82 h10 r225; Top Pin Number "M14" at 1001.23,2201.82 h10 r225; Top Pin Number "M13" at 1020.91,2201.82 h10 r225; Top Pin Number "M12" at 1040.6,2201.82 h10 r225; Top Pin Number "M11" at 1060.28,2201.82 h10 r225; Top Pin Number "M10" at 1079.97,2201.82 h10 r225; Top Pin Number "M1" at 1255.13,2198.82 h10 r225; Top Pin Number "L3" at 1215.76,2179.14 h10 r225; Top Pin Number "L2" at 1235.45,2179.14 h10 r225; Top Pin Number "L14" at 1001.23,2182.14 h10 r225; Top Pin Number "L13" at 1020.91,2182.14 h10 r225; Top Pin Number "L12" at 1040.6,2182.14 h10 r225; Top Pin Number "L1" at 1255.13,2179.14 h10 r225; Top Pin Number "K7" at 1137.02,2159.45 h10 r225; Top Pin Number "K6" at 1156.71,2159.45 h10 r225; Top Pin Number "K3" at 1215.76,2159.45 h10 r225; Top Pin Number "K2" at 1235.45,2159.45 h10 r225; Top Pin Number "K14" at 1001.23,2162.45 h10 r225; Top Pin Number "K13" at 1020.91,2162.45 h10 r225; Top Pin Number "K12" at 1040.6,2162.45 h10 r225; Top Pin Number "K1" at 1255.13,2159.45 h10 r225; Top Pin Number "J3" at 1215.76,2139.77 h10 r225; Top Pin Number "J2" at 1235.45,2139.77 h10 r225; Top Pin Number "J14" at 1001.23,2142.77 h10 r225; Top Pin Number "J13" at 1020.91,2142.77 h10 r225; Top Pin Number "J12" at 1040.6,2142.77 h10 r225; Top Pin Number "J1" at 1255.13,2139.77 h10 r225; Top Pin Number "H3" at 1215.76,2120.08 h10 r225; Top Pin Number "H2" at 1235.45,2120.08 h10 r225; Top Pin Number "H14" at 1001.23,2123.08 h10 r225; Top Pin Number "H13" at 1020.91,2123.08 h10 r225; Top Pin Number "H12" at 1040.6,2123.08 h10 r225; Top Pin Number "H1" at 1255.13,2120.08 h10 r225; Top Pin Number "G3" at 1215.76,2100.4 h10 r225; Top Pin Number "G2" at 1235.45,2100.4 h10 r225; Top Pin Number "G14" at 1001.23,2103.4 h10 r225; Top Pin Number "G13" at 1020.91,2103.4 h10 r225; Top Pin Number "G12" at 1040.6,2103.4 h10 r225; Top Pin Number "G10" at 1079.97,2103.4 h10 r225; Top Pin Number "G1" at 1255.13,2100.4 h10 r225; Top Pin Number "F3" at 1215.76,2080.71 h10 r225; Top Pin Number "F2" at 1235.45,2080.71 h10 r225; Top Pin Number "F14" at 1001.23,2083.71 h10 r225; Top Pin Number "F13" at 1020.91,2083.71 h10 r225; Top Pin Number "F12" at 1040.6,2083.71 h10 r225; Top Pin Number "F1" at 1255.13,2080.71 h10 r225; Top Pin Number "E8" at 1117.34,2061.03 h10 r225; Top Pin Number "E5" at 1176.39,2061.03 h10 r225; Top Pin Number "E3" at 1215.76,2061.03 h10 r225; Top Pin Number "E2" at 1235.45,2061.03 h10 r225; Top Pin Number "E14" at 1001.23,2064.03 h10 r225; Top Pin Number "E13" at 1020.91,2064.03 h10 r225; Top Pin Number "E12" at 1040.6,2064.03 h10 r225; Top Pin Number "E1" at 1255.13,2061.03 h10 r225; Top Pin Number "D4" at 1196.08,2041.34 h10 r225; Top Pin Number "D3" at 1215.76,2041.34 h10 r225; Top Pin Number "D2" at 1235.45,2041.34 h10 r225; Top Pin Number "D14" at 1001.23,2044.34 h10 r225; Top Pin Number "D13" at 1020.91,2044.34 h10 r225; Top Pin Number "D12" at 1040.6,2044.34 h10 r225; Top Pin Number "D1" at 1255.13,2041.34 h10 r225; Top Pin Number "C9" at 1097.65,2021.66 h10 r225; Top Pin Number "C8" at 1117.34,2021.66 h10 r225; Top Pin Number "C7" at 1137.02,2021.66 h10 r225; Top Pin Number "C5" at 1176.39,2021.66 h10 r225; Top Pin Number "C3" at 1215.76,2021.66 h10 r225; Top Pin Number "C14" at 1001.23,2024.66 h10 r225; Top Pin Number "C13" at 1020.91,2024.66 h10 r225; Top Pin Number "C12" at 1040.6,2024.66 h10 r225; Top Pin Number "C11" at 1060.28,2024.66 h10 r225; Top Pin Number "C10" at 1079.97,2024.66 h10 r225; Top Pin Number "C1" at 1255.13,2021.66 h10 r225; Top Pin Number "B9" at 1097.65,2001.97 h10 r225; Top Pin Number "B8" at 1117.34,2001.97 h10 r225; Top Pin Number "B7" at 1137.02,2001.97 h10 r225; Top Pin Number "B14" at 1001.23,2004.97 h10 r225; Top Pin Number "B13" at 1020.91,2004.97 h10 r225; Top Pin Number "B12" at 1040.6,2004.97 h10 r225; Top Pin Number "B11" at 1060.28,2004.97 h10 r225; Top Pin Number "B10" at 1079.97,2004.97 h10 r225; Top Pin Number "B1" at 1255.13,2001.97 h10 r225; Top Pin Number "A9" at 1097.65,1982.29 h10 r225; Top Pin Number "A8" at 1117.34,1982.29 h10 r225; Top Pin Number "A7" at 1137.02,1982.29 h10 r225; Top Pin Number "A2" at 1235.45,1982.29 h10 r225; Top Pin Number "A14" at 1001.23,1985.29 h10 r225; Top Pin Number "A13" at 1020.91,1985.29 h10 r225; Top Pin Number "A12" at 1040.6,1985.29 h10 r225; Top Pin Number "A11" at 1060.28,1985.29 h10 r225; Top Pin Number "A10" at 1079.97,1985.29 h10 r225; Top Pin Number "A1" at 1255.13,1982.29 h10 r225; Top Pin Number "K5" at 1176.39,2159.45 h10 r225
U701: Top Overlay "15" at 2142.92,1320.22 h15 r180; Top Overlay "56" at 2076.74,985.07 h15 r180; Top Overlay "43" at 1861.84,991.47 h15 r180; Top Overlay "29" at 1811.32,1286.07 h15 r180; Top Overlay "1" at 2141.5,1050.53 h15 r180; Top Pin Number "44" at 1873.19,1019.17 h15 r270; Top Pin Number "3" at 2107.92,1082.13 h15 r180; Top Pin Number "6" at 2107.2,1129.38 h15 r180; Top Pin Number "41" at 1847.97,1066.39 h15 r180; Top Pin Number "42" at 1847.97,1050.64 h15 r180; Top Pin Number "30" at 1847.97,1239.61 h15 r180; Top Pin Number "47" at 1920.43,1019.17 h15 r270; Top Pin Number "49" at 1951.93,1019.17 h15 r270; Top Pin Number "48" at 1936.18,1019.17 h15 r270; Top Pin Number "53" at 2014.92,1019.17 h15 r270; Top Pin Number "56" at 2062.16,1019.17 h15 r270; Top Pin Number "34" at 1847.97,1176.62 h15 r180; Top Pin Number "33" at 1847.97,1192.37 h15 r180; Top Pin Number "35" at 1847.97,1160.87 h15 r180; Top Pin Number "17" at 2032.67,1300.83 h15 r270; Top Pin Number "18" at 2016.92,1300.83 h15 r270; Top Pin Number "16" at 2048.41,1300.83 h15 r270; Top Pin Number "29" at 1847.97,1255.36 h15 r180; Top Pin Number "25" at 1906.68,1300.83 h15 r270; Top Pin Number "24" at 1922.43,1300.83 h15 r270; Top Pin Number "54" at 2030.67,1019.17 h15 r270; Top Pin Number "21" at 1969.67,1300.83 h15 r270; Top Pin Number "22" at 1953.93,1300.83 h15 r270; Top Pin Number "38" at 1847.97,1113.63 h15 r180; Top Pin Number "55" at 2046.41,1019.17 h15 r270; Top Pin Number "23" at 1938.18,1300.83 h15 r270; Top Pin Number "5" at 2107.92,1113.63 h15 r180; Top Pin Number "57" at 1983.8,1153 h15 r180; Top Pin Number "43" at 1857.44,1019.17 h15 r270; Top Pin Number "2" at 2107.92,1066.39 h15 r180; Top Pin Number "15" at 2064.16,1300.83 h15 r270; Top Pin Number "46" at 1904.68,1019.17 h15 r270; Top Pin Number "45" at 1888.93,1019.17 h15 r270; Top Pin Number "20" at 1985.42,1300.83 h15 r270; Top Pin Number "19" at 2001.17,1300.83 h15 r270; Top Pin Number "11" at 2112.49,1208.12 h15 r180; Top Pin Number "32" at 1847.97,1208.12 h15 r180; Top Pin Number "31" at 1847.97,1223.87 h15 r180; Top Pin Number "37" at 1847.97,1129.38 h15 r180; Top Pin Number "36" at 1847.97,1145.13 h15 r180; Top Pin Number "4" at 2108.63,1097.88 h15 r180; Top Pin Number "10" at 2118.92,1192.37 h15 r180; Top Pin Number "51" at 1983.42,1019.17 h15 r270; Top Pin Number "50" at 1967.67,1019.17 h15 r270; Top Pin Number "12" at 2118.92,1223.87 h15 r180; Top Pin Number "8" at 2107.92,1160.87 h15 r180; Top Pin Number "28" at 1859.44,1300.83 h15 r270; Top Pin Number "52" at 1999.17,1019.17 h15 r270; Top Pin Number "14" at 2119.63,1255.36 h15 r180; Top Pin Number "40" at 1847.97,1082.13 h15 r180; Top Pin Number "39" at 1847.97,1097.88 h15 r180; Top Pin Number "1" at 2101.49,1050.64 h15 r180; Top Pin Number "7" at 2107.92,1145.13 h15 r180; Top Pin Number "13" at 2118.92,1239.61 h15 r180; Top Pin Number "9" at 2107.2,1176.62 h15 r180; Top Pin Number "27" at 1875.19,1300.83 h15 r270; Top Pin Number "26" at 1890.93,1300.83 h15 r270
U702: Top Overlay "1" at 3057.8,1814.88 h30; Top Overlay "9" at 3121.54,1692.01 h30; Top Overlay "12" at 3125,1770 h30; Top Pin Number "4" at 2981.71,1758.84 h10; Top Pin Number "1" at 3058.49,1770.65 h10; Top Pin Number "7" at 3038.8,1727.35 h10; Top Pin Number "11" at 3087.89,1758.84 h10; Top Pin Number "12" at 3087.89,1778.53 h10; Top Pin Number "3" at 2981.71,1778.53 h10; Top Pin Number "6" at 2981.71,1719.47 h10; Top Pin Number "5" at 2981.71,1739.16 h10; Top Pin Number "8" at 3058.49,1711.6 h10; Top Pin Number "2" at 3019.11,1770.65 h10; Top Pin Number "10" at 3087.89,1739.16 h10; Top Pin Number "9" at 3095.89,1719.47 h10; Top Assembly "1" at 3066.42,1817.99 h15; Top Assembly "3" at 2940.44,1778.62 h15; Top Assembly "6" at 2948.31,1699.88 h15; Top Assembly "9" at 3121.54,1699.88 h15; Top Assembly "12" at 3121.54,1794.37 h15
U703: Top Overlay "4" at 2417.8,1012 h30; Top Overlay "5" at 2416.8,800 h30; Top Overlay "8" at 2648.8,803 h30; Top Pin Number "8" at 2624.85,833.17 h20 r180; Top Pin Number "7" at 2574.85,833.17 h20 r180; Top Pin Number "6" at 2524.85,833.17 h20 r180; Top Pin Number "5" at 2474.85,833.17 h20 r180; Top Pin Number "1" at 2624.85,1037.43 h20 r180; Top Pin Number "3" at 2524.85,1037.43 h20 r180; Top Pin Number "2" at 2574.85,1037.43 h20 r180; Top Pin Number "4" at 2474.85,1037.43 h20 r180
U704: Top Overlay "1" at 3468.8,1893 h15 r180; Top Overlay "E" at 3581.8,1994 h15 r180; Top Overlay "A" at 3584.8,1910 h15 r180; Top Pin Number "A3" at 3541.83,1903.21 h8 r180; Top Pin Number "B3" at 3541.83,1922.89 h8 r180; Top Pin Number "A2" at 3522.14,1903.21 h8 r180; Top Pin Number "D1" at 3502.45,1962.27 h8 r180; Top Pin Number "C1" at 3502.45,1942.58 h8 r180; Top Pin Number "B1" at 3502.45,1922.89 h8 r180; Top Pin Number "A1" at 3502.45,1903.21 h8 r180; Top Pin Number "E1" at 3502.45,1981.95 h8 r180; Top Pin Number "E2" at 3522.14,1981.95 h8 r180; Top Pin Number "D2" at 3522.14,1962.27 h8 r180; Top Pin Number "C2" at 3522.14,1942.58 h8 r180; Top Pin Number "B2" at 3522.14,1922.89 h8 r180; Top Pin Number "D3" at 3541.83,1962.27 h8 r180; Top Pin Number "C3" at 3541.83,1942.58 h8 r180; Top Pin Number "E3" at 3541.83,1981.95 h8 r180; Top Assembly "3" at 3544.4,1881.71 h15 r180; Top Assembly "1" at 3498.28,1881.71 h15 r180; Top Assembly "E" at 3559.92,1987.79 h15 r180; Top Assembly "A" at 3559.64,1903.66 h15 r180
U705: Top Overlay "1" at 3715,1835 h30 r90; Top Pin Number "2" at 3738.05,1884.79 h10 r90; Top Pin Number "11" at 3753.8,1981.21 h10 r90; Top Pin Number "9" at 3784.8,1983 h10 r90; Top Pin Number "1" at 3722.3,1884.79 h10 r90; Top Pin Number "3" at 3753.8,1884.79 h10 r90; Top Pin Number "17" at 3752.8,1931 h10 r90; Top Pin Number "15" at 3707.74,1942.12 h10 r180; Top Pin Number "5" at 3785.3,1884.79 h10 r90; Top Pin Number "7" at 3800.16,1943.12 h10 r180; Top Pin Number "8" at 3800.16,1958.88 h10 r180; Top Pin Number "12" at 3738.05,1981.21 h10 r90; Top Pin Number "14" at 3707.74,1957.88 h10 r180; Top Pin Number "10" at 3769.55,1981.21 h10 r90; Top Pin Number "13" at 3722.3,1981.21 h10 r90; Top Pin Number "4" at 3769.55,1884.79 h10 r90; Top Pin Number "16" at 3707.74,1926.38 h10 r180; Top Pin Number "6" at 3800.16,1927.38 h10 r180; Top Assembly "1" at 3718.3,1851.39 h15 r90; Top Assembly "5" at 3804.92,1851.39 h15 r90; Top Assembly "9" at 3804.92,2016.74 h15 r90; Top Assembly "13" at 3710.43,2008.87 h15 r90
U706: Top Overlay "A" at 3719.8,2234 h15 r270; Top Overlay "1" at 3748.37,2205.31 h15 r270; Top Overlay "3" at 3749.03,2171.35 h15 r270; Top Pin Number "D1" at 3675.83,2208.25 h8 r270; Top Pin Number "D2" at 3675.83,2192.5 h8 r270; Top Pin Number "A3" at 3723.07,2176.75 h8 r270; Top Pin Number "C3" at 3691.58,2176.75 h8 r270; Top Pin Number "B3" at 3707.32,2176.75 h8 r270; Top Pin Number "D3" at 3675.83,2176.75 h8 r270; Top Pin Number "C1" at 3691.58,2208.25 h8 r270; Top Pin Number "C2" at 3691.58,2192.5 h8 r270; Top Pin Number "B2" at 3707.32,2192.5 h8 r270; Top Pin Number "A2" at 3723.07,2192.5 h8 r270; Top Pin Number "A1" at 3723.07,2208.25 h8 r270; Top Pin Number "B1" at 3707.32,2208.25 h8 r270; Top Assembly "A" at 3719.3,2233.71 h15 r270; Top Assembly "D" at 3668.3,2234 h15 r270; Top Assembly "1" at 3741.54,2205.32 h15 r270; Top Assembly "3" at 3740.87,2174.13 h15 r270
U707: Bottom Overlay "2" at 3470.8,1983 h30 r180; Bottom Overlay "1" at 3324.8,1986 h30 r180; Bottom Pin Number "1" at 3357.88,1979.42 h20 r180; Bottom Pin Number "3" at 3394.88,1900.42 h20 r180; Bottom Pin Number "2" at 3431.88,1979.42 h20 r180
U708: Top Overlay "1" at 745,495 h30; Top Pin Number "4" at 653.84,393.5 h10 r180; Top Pin Number "3" at 654.08,495.5 h10 r180; Top Pin Number "2" at 691.58,495.5 h10 r180; Top Pin Number "1" at 731.22,495.5 h10 r180; Top Pin Number "5" at 729.08,393.5 h10 r180; Top Assembly "1" at 770,490 h15 r180
U709: Top Overlay "3" at 521.57,418.65 h15 r90; Top Overlay "1" at 522.23,384.69 h15 r90; Top Overlay "A" at 550.8,356 h15 r90; Top Pin Number "B1" at 563.28,381.75 h8 r90; Top Pin Number "A1" at 547.53,381.75 h8 r90; Top Pin Number "A2" at 547.53,397.5 h8 r90; Top Pin Number "B2" at 563.28,397.5 h8 r90; Top Pin Number "C2" at 579.02,397.5 h8 r90; Top Pin Number "C1" at 579.02,381.75 h8 r90; Top Pin Number "D3" at 594.77,413.25 h8 r90; Top Pin Number "B3" at 563.28,413.25 h8 r90; Top Pin Number "C3" at 579.02,413.25 h8 r90; Top Pin Number "A3" at 547.53,413.25 h8 r90; Top Pin Number "D2" at 594.77,397.5 h8 r90; Top Pin Number "D1" at 594.77,381.75 h8 r90; Top Assembly "3" at 529.73,415.87 h15 r90; Top Assembly "1" at 529.06,384.68 h15 r90; Top Assembly "D" at 602.3,356 h15 r90; Top Assembly "A" at 551.3,356.29 h15 r90